# KiCad board data-center-rdimm-ddr4-tester.kicad_pcb (continued)
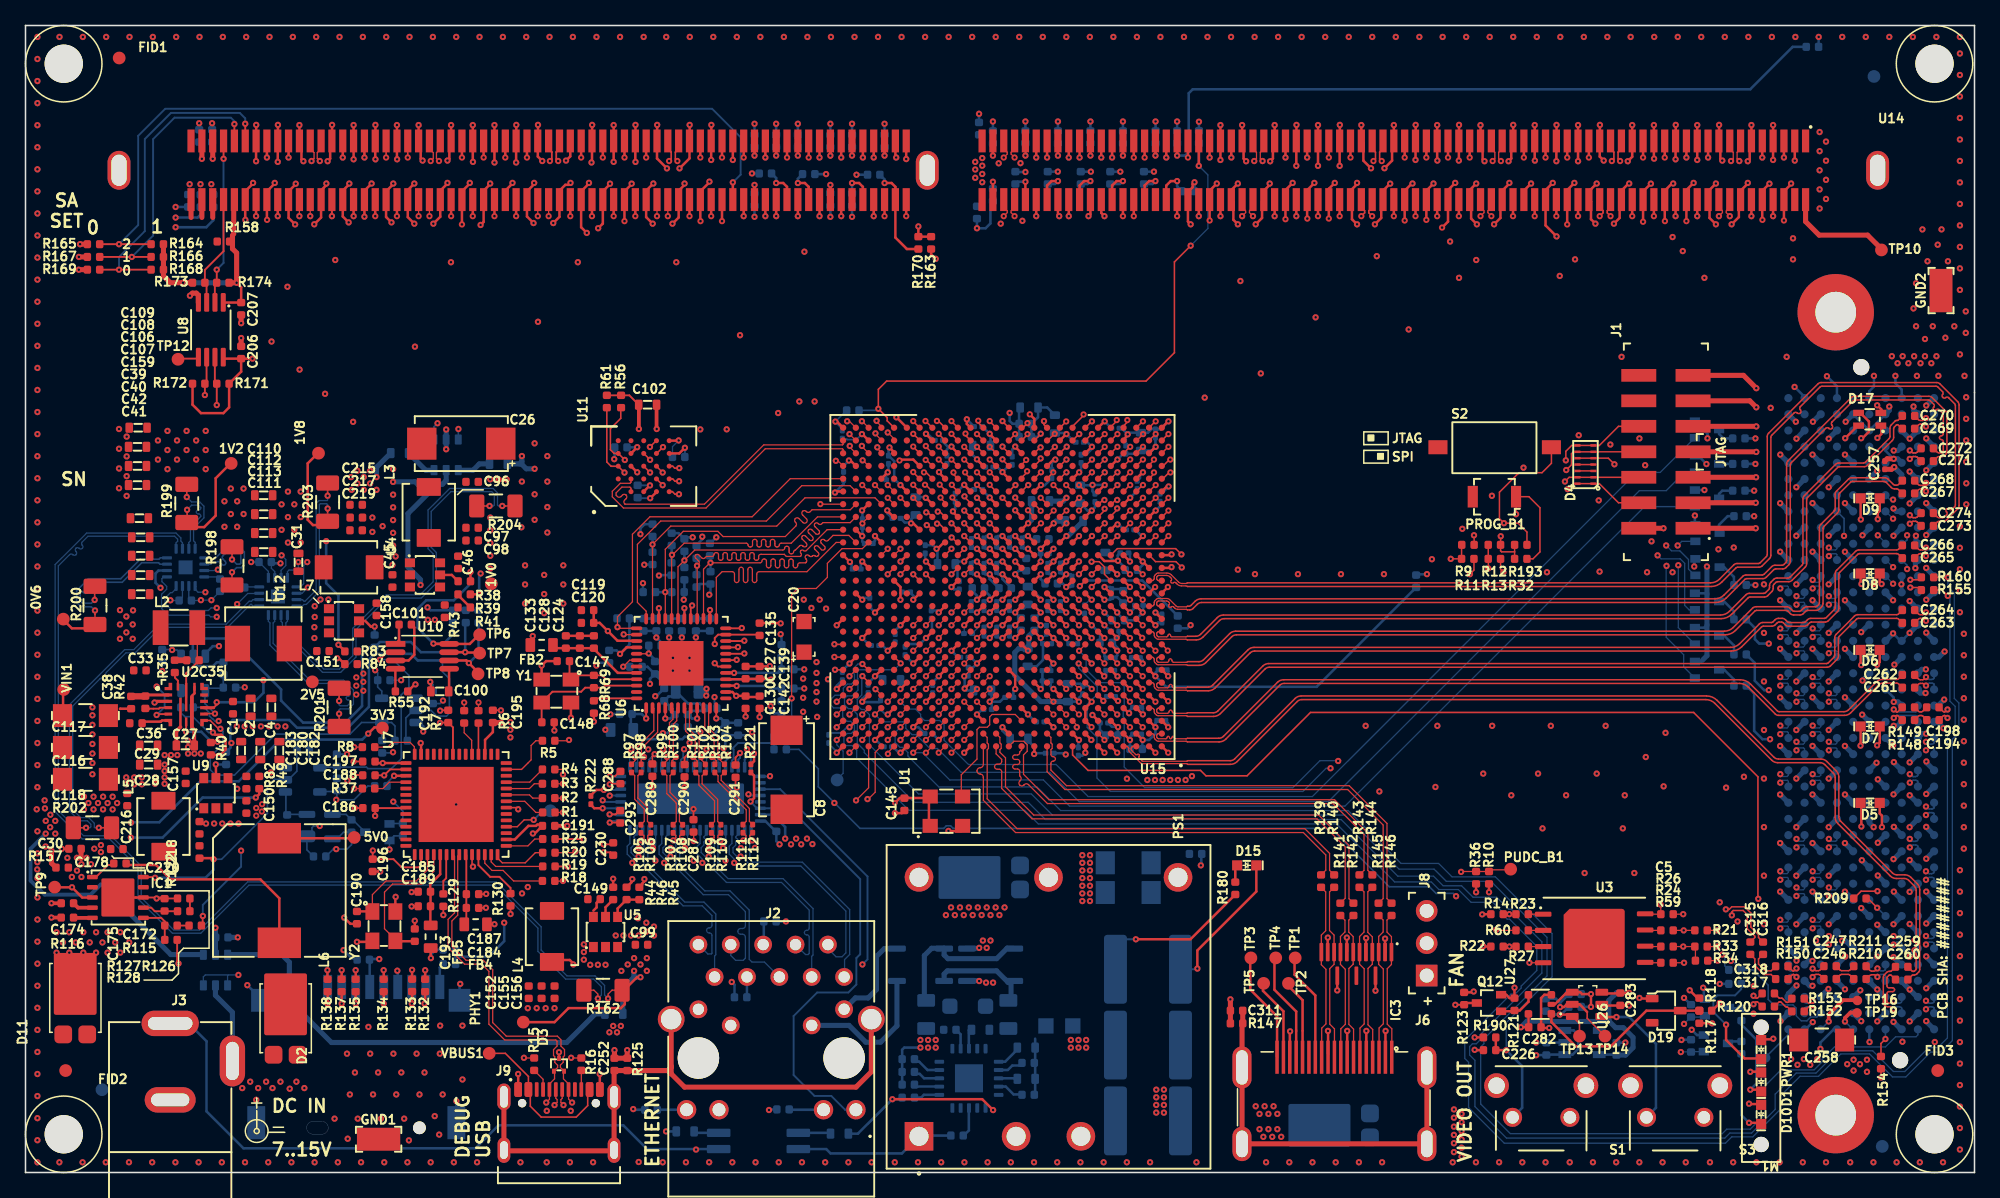
[diagram p0: board, top side]
## Routing (per net, layer and track width the routed paths; a pad name or vN(x,y) marks a point on that pad's centre or on a via; arc(x,y) is an arc through that point) (continued)
  Bottom w0.15: v1(55.49,77.69) 56.1,78.3 56.1,81.22 53.86,83.46 10.96,83.46 8.84,81.34 8.84,74.34 v1(7.34,72.84)
SCL_2V5: length 12.8
  Top w0.15: 14.86,68.26 14.86,69.64 ; 15,69.79 v1(15,70.84) ; 15.54,80.94 v1(15.54,79.54)
  Bottom w0.15: v1(15,70.84) 15.54,71.37 v1(15.54,79.54)
SCL_3V3: length 99.1
  Top w0.1: U15.E25 v1(64.64,36.94)
  Top w0.15: 14.86,63.86 14.86,62.04 ; v1(15,60.22) R171.2
  In2.Cu w0.1: v1(15,60.22) 16.96,60.22 22.32,54.85 22.32,49.53 21.4,48.6 v1(21.4,47.9) 21.4,47.3 22.75,45.95 25.88,45.95 31.01,40.82 31.01,35.41 33.92,32.5 37.9,32.5 38.7,31.7 45.81,31.7 46.81,30.7 57.55,30.7 57.96,30.29 63.69,30.29 65.15,31.75 65.15,36.43 v1(64.64,36.94)
  In9.Cu w0.1: v1(21.4,47.9) 21.4,45.8 19.6,44 15.3,44 v1(15,44.3)
  Bottom w0.1: v1(15,44.3) 14.55,44.3 14.35,44.1 11.5,44.1 10.95,44.65 10.95,45.07 11.38,45.5 11.5,45.5 11.81,45.81 11.81,46.02 ; v1(21.4,47.9) 21.4,47.45 21.22,47.28 20.67,47.28 20.55,47.15 20.55,46.66
SD_CD: length 72.3
  Top w0.1: U15.F9 v3(81.64,37.94)
  In2.Cu w0.1: v1(37.55,19.6) 37.96,19.6 41,22.64 41,23.45 42.05,24.5 42.9,24.5 43.35,24.05 45.35,24.05 45.52,23.88 61.68,23.88 66.75,28.95 66.75,29.85 68,31.1 69.3,31.1 69.42,31.22 arc(69.48,31.37) 69.42,31.51 69.29,31.65 arc(69.23,31.79) 69.29,31.93 arc(69.43,31.99) 69.57,31.93 69.71,31.79 arc(69.85,31.73) 69.99,31.79 70.09,31.89 70.5,31.89 arc(70.62,31.94) 70.68,32.06 70.68,32.11 arc(70.73,32.24) 70.85,32.29 arc(70.97,32.24) 71.03,32.11 71.03,31.67 arc(71.08,31.54) 71.2,31.49 arc(71.32,31.54) 71.38,31.67 71.38,32.11 arc(71.43,32.24) 71.55,32.29 arc(71.67,32.24) 71.72,32.11 71.72,31.67 arc(71.78,31.54) 71.9,31.49 arc(72.02,31.54) 72.07,31.67 72.07,31.72 arc(72.13,31.84) 72.25,31.89 74.18,31.89 arc(74.32,31.95) 74.38,32.09 74.38,32.69 arc(74.44,32.83) 74.58,32.89 arc(74.72,32.83) 74.78,32.69 74.78,32.09 arc(74.84,31.95) 74.98,31.89 arc(75.12,31.95) 75.18,32.09 75.18,32.69 arc(75.24,32.83) 75.38,32.89 arc(75.52,32.83) 75.58,32.69 75.58,32.09 arc(75.64,31.95) 75.78,31.89 arc(75.92,31.95) 75.98,32.09 75.98,32.69 arc(76.04,32.83) 76.18,32.89 arc(76.32,32.83) 76.38,32.69 76.38,32.09 arc(76.44,31.95) 76.58,31.89 arc(76.72,31.95) 76.78,32.09 76.78,32.69 arc(76.84,32.83) 76.98,32.89 arc(77.12,32.83) 77.18,32.69 77.18,32.09 arc(77.24,31.95) 77.38,31.89 77.62,31.89 78,32.28 78,33.2 79.86,35.06 79.86,35.91 80.18,36.22 80.18,37.09 80.6,37.52 81.22,37.52 v3(81.64,37.94)
  Bottom w0.2: 33.74,16.94 36.34,16.94 37.55,18.15 v1(37.55,19.6) ; 33.74,16.94 R136.1 ; 33.74,16.94 R131.2
SD_CLK: length 75.8
  Top w0.1: U15.D10 v3(80.64,35.94)
  Top w0.2: R134.2 28.1,15.87 v1(28.09,15.88)
  In2.Cu w0.1: v1(28.09,15.88) 28.09,16.17 28.3,16.38 28.3,16.8 30,18.5 37.75,18.5 41.74,22.49 41.74,23.05 42.16,23.47 42.88,23.47 43.05,23.3 45.31,23.3 45.48,23.47 49.18,23.47 49.5,23.15 62,23.15 67.32,28.47 67.32,29.62 68.1,30.4 69.6,30.4 70.43,31.22 72.38,31.22 arc(72.51,31.17) 72.56,31.05 72.56,31.01 arc(72.61,30.89) 72.74,30.84 arc(72.86,30.89) 72.91,31.01 72.91,31.49 arc(72.96,31.61) 73.09,31.66 arc(73.21,31.61) 73.26,31.49 73.26,31.01 arc(73.31,30.89) 73.44,30.84 arc(73.56,30.89) 73.61,31.01 73.61,31.49 arc(73.66,31.61) 73.78,31.66 arc(73.91,31.61) 73.96,31.49 73.96,31.01 arc(74.01,30.89) 74.13,30.84 arc(74.26,30.89) 74.31,31.01 74.31,31.49 arc(74.36,31.61) 74.49,31.66 arc(74.61,31.61) 74.66,31.49 74.66,31.01 arc(74.71,30.89) 74.84,30.84 arc(74.96,30.89) 75.01,31.01 75.01,31.49 arc(75.06,31.61) 75.19,31.66 arc(75.31,31.61) 75.36,31.49 75.36,31.01 arc(75.41,30.89) 75.53,30.84 arc(75.66,30.89) 75.71,31.01 75.71,31.49 arc(75.76,31.61) 75.88,31.66 arc(76.01,31.61) 76.06,31.49 76.06,31.01 arc(76.11,30.89) 76.24,30.84 arc(76.36,30.89) 76.41,31.01 76.41,31.49 arc(76.46,31.61) 76.59,31.66 arc(76.71,31.61) 76.76,31.49 76.76,31.01 arc(76.81,30.89) 76.94,30.84 arc(77.06,30.89) 77.11,31.01 77.11,31.49 arc(77.16,31.61) 77.28,31.66 arc(77.41,31.61) 77.46,31.49 77.46,31.4 arc(77.51,31.28) 77.63,31.22 77.72,31.22 arc(77.76,31.23) 77.79,31.25 78.65,32.11 78.65,33.2 80.22,34.77 80.22,35.52 80.64,35.94 v3(80.64,35.94)
  Bottom w0.1: v1(28.09,15.88) 28.1,15.87 28.1,14.55
SD_CMD: length 73
  Top w0.1: U15.D8 v3(82.64,35.94)
  Top w0.2: v1(25.9,15.88) R135.2
  In2.Cu w0.1: v3(82.64,35.94) 82.06,35.36 82.06,34.38 81.05,33.38 81.05,31.53 80.92,31.4 arc(80.78,31.34) 80.64,31.4 80.61,31.43 arc(80.46,31.49) 80.32,31.43 arc(80.26,31.29) 80.32,31.15 80.64,30.83 arc(80.7,30.69) 80.64,30.55 80.64,30.55 arc(80.5,30.49) 80.36,30.55 80.04,30.87 arc(79.9,30.92) 79.76,30.87 arc(79.7,30.72) 79.76,30.58 79.79,30.55 arc(79.85,30.41) 79.79,30.27 78.84,29.32 71.32,29.32 63.55,21.55 43.5,21.55 38.95,17 32.72,17 32.47,17.25 30.93,17.25 29.9,16.22 29.9,15.4 29.22,14.72 27.06,14.72 25.91,15.88 v1(25.9,15.88)
  Bottom w0.1: v1(25.9,15.88) 25.9,14.55
SD_DAT0: length 75.8
  Top w0.1: U15.E10 v3(80.64,36.94)
  Top w0.2: v1(30.32,15.9) R133.2
  In2.Cu w0.1: v1(30.32,15.9) 30.83,16.41 39.35,16.41 43.9,20.95 63.95,20.95 71.69,28.69 79.19,28.69 79.56,29.06 arc(79.61,29.18) 79.56,29.31 79.51,29.36 arc(79.46,29.48) 79.51,29.61 arc(79.63,29.66) 79.76,29.61 79.81,29.56 arc(79.93,29.5) 80.06,29.56 arc(80.11,29.68) 80.06,29.8 79.98,29.87 arc(79.93,30) 79.98,30.12 arc(80.11,30.17) 80.23,30.12 80.3,30.05 arc(80.43,30) 80.55,30.05 81.13,30.63 arc(81.19,30.78) 81.13,30.92 81.1,30.95 arc(81.04,31.09) 81.1,31.24 arc(81.24,31.29) 81.38,31.24 81.42,31.2 arc(81.56,31.14) 81.7,31.2 82.02,31.52 82.02,31.62 arc(81.96,31.76) 81.82,31.82 81.47,31.82 arc(81.33,31.88) 81.27,32.02 arc(81.33,32.16) 81.47,32.22 81.82,32.22 arc(81.96,32.28) 82.02,32.42 82.02,32.67 arc(82.08,32.81) 82.22,32.87 82.27,32.87 arc(82.41,32.93) 82.47,33.07 arc(82.41,33.21) 82.27,33.27 81.72,33.27 arc(81.58,33.33) 81.52,33.47 arc(81.58,33.61) 81.72,33.67 81.82,33.67 arc(81.96,33.73) 82.02,33.87 82.02,33.89 82.89,34.76 82.89,35.34 83.04,35.49 83.04,36.13 82.72,36.45 82.35,36.45 arc(82.23,36.5) 82.18,36.62 82.18,37.28 arc(82.12,37.4) 82,37.45 arc(81.88,37.4) 81.82,37.28 arc(81.78,37.17) 81.68,37.12 81.28,37.12 arc(81.17,37.08) 81.12,36.97 arc(81.17,36.87) 81.28,36.83 81.68,36.83 arc(81.78,36.78) 81.82,36.67 81.82,36.62 arc(81.77,36.5) 81.65,36.45 81.13,36.45 v3(80.64,36.94)
  Bottom w0.1: v1(30.32,15.9) 30.3,15.88 30.3,14.55
SD_DAT1: length 75.1
  Top w0.1: U15.F8 v3(82.64,37.94)
  Top w0.2: v1(31.35,15.88) R132.2
  In2.Cu w0.1: v3(82.64,37.94) 83.06,37.52 83.06,36.74 83.25,36.55 83.25,35.24 83.18,35.17 83.18,33.88 82.7,33.41 82.7,31.2 82.54,31.04 arc(82.38,30.97) 82.22,31.04 arc(82.06,31.11) 81.9,31.04 arc(81.84,30.88) 81.9,30.72 82.06,30.56 82.54,30.09 arc(82.61,29.93) 82.54,29.77 arc(82.38,29.7) 82.22,29.77 81.59,30.4 arc(81.43,30.47) 81.27,30.4 arc(81.2,30.24) 81.27,30.09 81.9,29.45 arc(81.97,29.29) 81.9,29.13 arc(81.74,29.07) 81.59,29.13 80.95,29.77 arc(80.79,29.83) 80.63,29.77 arc(80.56,29.61) 80.63,29.45 81.27,28.81 arc(81.33,28.65) 81.27,28.49 arc(81.11,28.43) 80.95,28.49 80.31,29.13 arc(80.15,29.2) 79.99,29.13 arc(79.93,28.97) 79.99,28.81 arc(80.06,28.65) 79.99,28.49 79.55,28.05 72.05,28.05 64.4,20.4 44.2,20.4 39.8,16 31.47,16 v1(31.35,15.88)
  Bottom w0.1: 31.4,14.55 31.4,15.83 v1(31.35,15.88)
SD_DAT2: length 72.1
  Top w0.1: U15.C9 v3(81.64,34.94)
  Top w0.2: R138.2 23.69,15.17 v1(23.69,15.88)
  In2.Cu w0.1: v3(81.64,34.94) 81.64,34.61 80.3,33.28 80.3,31.8 78.46,29.95 70.96,29.95 63.05,22.05 43.05,22.05 38.6,17.6 30.55,17.6 29.59,16.64 29.59,15.66 29.03,15.1 27.45,15.1 26.18,16.38 25.6,16.38 25.38,16.15 25.38,15.58 25.15,15.35 24.21,15.35 v1(23.69,15.88)
  Bottom w0.1: v1(23.69,15.88) 23.7,15.86 23.7,14.55
SD_DAT3: length 74.3
  Top w0.1: U15.D9 v3(81.64,35.94)
  Top w0.2: v1(24.8,15.88) R137.2
  In2.Cu w0.1: v3(81.64,35.94) 81.22,35.52 81.22,34.92 79.56,33.26 79.56,32.06 79.43,31.92 arc(79.3,31.87) 79.18,31.92 arc(79.05,31.98) 78.93,31.93 78.89,31.89 arc(78.84,31.77) 78.89,31.64 79.23,31.31 arc(79.29,31.16) 79.23,31.02 arc(79.09,30.96) 78.95,31.02 78.61,31.36 arc(78.49,31.41) 78.36,31.36 78.33,31.32 arc(78.28,31.2) 78.33,31.08 arc(78.38,30.95) 78.33,30.83 78.09,30.59 72.19,30.59 arc(72.05,30.65) 71.99,30.79 arc(71.93,30.93) 71.79,30.99 71.74,30.99 arc(71.6,30.93) 71.54,30.79 71.54,30.59 71.54,30.59 71.54,30.39 arc(71.48,30.25) 71.34,30.19 71.29,30.19 arc(71.15,30.25) 71.09,30.39 arc(71.03,30.53) 70.89,30.59 70.59,30.59 69.7,29.7 68.35,29.7 67.78,29.14 67.78,27.88 62.5,22.6 42.7,22.6 38.1,18 30.27,18 28.7,16.43 28.7,15.7 28.46,15.46 27.79,15.46 26.48,16.77 25.27,16.77 24.8,16.3 v1(24.8,15.88)
  Bottom w0.1: v1(24.8,15.88) 24.8,14.55
SDA_2V5: length 8.6
  Top w0.15: 15.54,76.34 15.54,72.29 14.07,70.82 14.07,69.79 ; 14.21,68.26 14.21,69.66
SDA_3V3: length 99.4
  Top w0.1: U15.D26 v1(63.64,35.94)
  Top w0.15: v1(14.07,61.01) R172.2 ; 14.21,63.86 14.21,62.03
  In2.Cu w0.1: v1(14.07,61.01) 16.79,61.01 22.85,54.95 22.85,49.28 22.1,48.53 v1(22.1,47.9) 22.1,47.4 23.05,46.45 26.07,46.45 31.33,41.19 31.33,35.69 34.12,32.9 38.16,32.9 38.99,32.07 45.93,32.07 46.9,31.1 57.81,31.1 58.23,30.68 62.44,30.68 64.06,32.29 64.06,35.52 v1(63.64,35.94)
  In9.Cu w0.1: v1(22.1,47.9) 21.7,47.5 21.7,45.5 19.8,43.6 v1(15,43.6)
  Bottom w0.1: v1(22.1,47.9) 21.82,47.62 21.82,46.2 21.57,45.95 21.26,45.95 ; v1(15,43.6) 14.53,43.6 14.4,43.72 11.2,43.72 10.67,44.25 10.67,45.37 11.08,45.77 11.08,45.99 10.7,46.36 10.7,46.6 10.83,46.73 11.1,46.73
TCK_JTAG: length 112.9
  Top w0.1: 41.54,22.86 42.15,22.86 ; U15.L8 v1(82.64,42.94)
  Top w0.12: J1.6 D4.2 D4.13 121.09,54.55 v1(120.76,54.22)
  In5.Cu w0.1: v1(82.64,42.94) 82.22,43.36 81.62,43.36 81.2,43.78 81.2,43.97 80.72,44.45 69.55,44.45 66.22,41.12 66.22,34.93 65.81,34.52 63.62,34.52 62.8,33.7 52.82,33.7 51.91,32.79 51.49,32.79 50.65,33.62 46.68,33.62 44.5,31.45 44.5,25.22 v1(42.16,22.88)
  In7.Cu w0.12: v1(120.76,54.22) 120.35,53.81 120.35,48.85 117,45.5 84.94,45.5 84.81,45.37 82.46,45.37 82.2,45.11 82.2,43.38 ; v1(82.64,42.94) 82.21,43.37
TDI_JTAG: length 113
  Top w0.12: v1(120.83,55.88) 120.83,56.59 121.29,57.05 D4.8 D4.7 123.46,57.05 124.96,58.55 J1.10
  Top w0.127: U15.R6 v1(83.64,46.94)
  Top w0.15: R19.2 42.52,24.02
  In5.Cu w0.1: v1(42.54,24) 42.54,26.21 42,26.75 42,27.5 42.33,27.83 42.34,27.83 42.58,28.08 42.58,32.58 45.21,35.21 60.91,35.21 63.22,37.52 63.22,38.36 63.9,39.04 63.9,41.9 68.52,46.52 68.84,46.52 69.22,46.9 69.22,47.11 69.47,47.37 83.21,47.37 v1(83.64,46.94)
  In7.Cu w0.12: v1(83.64,46.94) 83.99,46.59 84.61,46.59 85.2,46 115.95,46 119.5,49.55 119.5,53.72 120.43,54.65 121.06,54.65 121.33,54.92 121.33,55.38 v1(120.83,55.88)
TDO_JTAG: length 109.7
  Top w0.1: v1(43.14,25.19) 43.04,25.09 R20.2
  Top w0.12: v1(120.86,55.12) 121.27,55.53 121.27,56.4 121.42,56.55 D4.9 D4.6 123,56.55 J1.8
  Top w0.127: U15.R7 v1(82.64,46.94)
  In5.Cu w0.1: v1(82.64,46.94) 82.06,46.36 69.31,46.36 68.2,45.25 68.2,44.91 66.74,43.45 66.5,43.45 64.22,41.17 64.22,36.93 63.81,36.52 63.42,36.52 61.6,34.7 57.9,34.7 57.63,34.97 56.83,34.97 56.56,34.7 53.7,34.7 53.43,34.97 52.57,34.97 52.3,34.7 50.6,34.7 50.3,35 49.65,35 49.2,34.55 45.95,34.55 45.5,34.1 45.18,34.1 43.14,32.06 43.14,27.44 43.16,27.42 43.16,27.08 43.14,27.06 v1(43.14,25.19)
  In7.Cu w0.12: v1(120.86,55.12) 119.47,55.12 118.53,54.18 118.53,50.33 114.7,46.5 85.4,46.5 84.7,47.2 84.15,47.2 83.88,47.47 83.17,47.47 v1(82.64,46.94)
TMDS_CLK_N: length 35.2
  Top w0.1: R139.1 102,23.72 102,24.92 100.24,26.67 77.66,26.67 75.14,29.2 75.14,31.01 arc(75.06,31.19) 74.89,31.26 arc(74.71,31.34) 74.64,31.51 arc(74.71,31.69) 74.89,31.76 arc(75.06,31.84) 75.14,32.01 U15.A15
TMDS_CLK_P: length 35.8
  Top w0.1: R140.1 102.3,23.71 102.3,25.04 100.36,26.97 77.79,26.97 75.44,29.33 75.44,33.17 75.54,33.27 75.54,33.61 75.44,33.71 75.44,34.14 U15.B15
TMDS_D0_N: length 37.7
  Top w0.1: U15.A14 76.14,32.85 76.57,32.41 76.57,32.25 arc(76.52,32.1) 76.38,32.05 76.21,32.05 arc(76.07,31.99) 76.01,31.84 arc(76.07,31.7) 76.21,31.64 76.38,31.64 arc(76.52,31.59) 76.57,31.44 76.57,30.14 78.96,27.75 101.31,27.75 103.52,25.55 103.52,21.51 R141.1
TMDS_D0_P: length 38.1
  Top w0.1: R142.1 103.82,21.48 103.82,25.67 101.44,28.05 79.09,28.05 76.88,30.26 76.88,32.54 76.44,32.98 76.44,33.17 76.54,33.27 76.54,33.61 76.44,33.71 76.44,34.14 U15.B14
TMDS_D1_N: length 36.8
  Top w0.1: U15.A12 78.14,33.15 77.99,33 77.99,32.94 arc(77.94,32.81) 77.81,32.76 77.61,32.76 arc(77.49,32.71) 77.44,32.59 arc(77.49,32.46) 77.61,32.41 77.81,32.41 arc(77.94,32.36) 77.99,32.24 77.99,32.19 arc(77.94,32.06) 77.81,32.01 77.61,32.01 arc(77.49,31.96) 77.44,31.84 arc(77.49,31.71) 77.61,31.66 77.81,31.66 arc(77.94,31.61) 77.99,31.49 77.99,31.13 78.04,31.08 arc(78.1,30.92) 78.04,30.76 77.99,30.71 arc(77.93,30.55) 77.99,30.4 arc(78.15,30.33) 78.31,30.4 78.35,30.44 arc(78.51,30.51) 78.67,30.44 80.16,28.95 102.56,28.95 104.99,26.52 104.99,23.7 R143.1
TMDS_D1_P: length 36.5
  Top w0.1: U15.A13 77.54,33.84 78.3,33.84 78.57,33.57 78.57,33.05 78.29,32.76 78.29,31.25 80.29,29.25 102.69,29.25 105.3,26.64 105.3,23.7 R144.1
TMDS_D2_N: length 36.4
  Top w0.1: U15.A10 80.14,31.45 81.54,30.05 103.71,30.05 106.5,27.26 106.5,21.49 R145.1
TMDS_D2_P: length 38
  Top w0.1: U15.B10 80.44,34.14 80.44,33.71 80.54,33.61 80.54,33.27 80.44,33.17 80.44,32.8 arc(80.49,32.68) 80.61,32.63 80.62,32.63 arc(80.74,32.58) 80.79,32.45 arc(80.74,32.33) 80.62,32.28 80.61,32.28 arc(80.49,32.23) 80.44,32.1 80.44,31.58 81.66,30.35 103.84,30.35 106.8,27.39 106.8,21.49 R146.1
TMS_JTAG: length 108.2
  Top w0.1: U15.N8 v1(82.64,44.94)
  Top w0.12: J1.4 124.96,52.55 123.46,54.05 D4.1 D4.14 121.4,54.05 v1(120.97,53.62)
  Top w0.15: R25.2 43.75,26.17 v1(43.79,26.13)
  In5.Cu w0.1: v1(43.79,26.13) 43.78,26.14 43.78,31.67 46.15,34.05 50.69,34.05 50.78,34.14 62.24,34.14 63.62,35.52 64.82,35.52 65.2,35.9 65.2,40.9 69.22,44.92 69.22,45.14 69.44,45.36 82.22,45.36 v1(82.64,44.94)
  In7.Cu w0.12: v1(82.64,44.94) 83.07,44.51 85.01,44.51 85.5,45 117.86,45 121.05,48.19 121.05,53.54 v1(120.97,53.62)
UART0_RX: length 37.4
  Top w0.1: R6.2 v2(35.54,36.88) ; U15.F25 v1(64.64,37.94)
  In2.Cu w0.1: v1(64.64,37.94) 64.06,37.36 63.21,37.36 62.75,36.9 62.75,34.55 60.3,32.1 47.25,32.1 45.83,33.52 36.88,33.52 35.5,34.9 35.5,36.84 v2(35.54,36.88)
UART0_TX: length 37.1
  Top w0.1: U15.E26 v1(63.64,36.94) ; R7.2 v2(34.41,36.88)
  In2.Cu w0.1: v2(34.41,36.88) 34.64,36.65 34.64,35.16 36.54,33.25 45.56,33.25 47.11,31.7 60.65,31.7 63.12,34.17 63.12,36.03 63.64,36.55 v1(63.64,36.94)
UART1_RX: length 48.2
  Top w0.1: R8.2 v2(25.79,33.38) ; v1(65.15,29.2) 66.14,30.19 U15.A24
  In2.Cu w0.1: v1(65.15,29.2) 62.95,27 44.34,27 43.56,27.78 41.62,27.78 37.4,32 30.8,32 29.4,33.4 25.81,33.4 v2(25.79,33.38)
UART1_TX: length 49.2
  Top w0.1: R37.2 v2(25.79,30.13) ; v1(66.05,29.3) 66.11,29.3 66.65,29.84 66.65,32.96 67.13,33.44
  In2.Cu w0.1: v2(25.79,30.13) 29.37,30.13 30.74,31.5 37.1,31.5 42,26.6 63.35,26.6 v1(66.05,29.3)
USR_LED1: length 84.7
  Top w0.1: U15.D21 v1(68.64,35.94)
  In9.Cu w0.1: v1(68.64,35.94) 68.15,36.43 68.15,43.2 68.35,43.4 68.69,43.4 70.07,44.78 70.07,45.07 70.8,45.8 72,45.8 72.25,45.55 72.8,45.55 73,45.75 80.55,45.75 81.25,45.05 81.25,44.78 81.52,44.5 89.29,44.5 91.34,42.45 92.85,42.45 93.35,42.95 126.05,42.95 128.73,45.63 v1(128.73,47.6)
  Bottom w0.1: v1(128.73,47.6) 128.7,47.57 128.7,42 130.07,40.62 130.07,39.67 Q2.1
USR_LED2: length 83.7
  Top w0.1: U15.B20 v1(69.64,33.94)
  In9.Cu w0.1: v1(69.64,33.94) 69.22,34.36 69.22,43.11 69.63,43.52 69.63,43.68 71.28,45.33 79.97,45.33 80.15,45.15 80.15,44.71 80.41,44.45 80.9,44.45 81.15,44.2 81.15,43.75 81.47,43.43 89.47,43.43 90.8,42.1 126.3,42.1 129.65,45.45 v1(129.65,47.65)
  Bottom w0.1: Q4.1 129.65,42.75 v1(129.65,47.65)
USR_LED3: length 84.3
  Top w0.1: U15.B21 v1(68.64,33.94)
  In9.Cu w0.1: v1(68.64,33.94) 68.06,34.52 68.06,35.11 67.65,35.52 67.46,35.52 67.15,35.83 67.15,40 66.5,40.65 66.5,43.21 68.22,44.93 68.22,45.11 69.64,46.54 70.94,46.54 71.1,46.7 72.1,46.7 72.26,46.54 84.68,46.54 85.38,45.84 89.76,45.84 91.24,44.36 125.58,44.36 127.69,46.46 127.69,48.08 v1(128.03,48.42)
  Bottom w0.1: v1(128.03,48.42) 128.3,48.15 129.8,48.15 130.15,47.8 130.15,44.5 130.5,44.15 Q3.1
USR_LED4: length 82.9
  Top w0.1: U15.C22 v1(67.64,34.94)
  In9.Cu w0.1: v1(67.64,34.94) 67.06,35.52 66.46,35.52 66.1,35.88 66.1,40.15 65.22,41.03 65.22,43.13 68.22,46.13 68.58,46.13 69.22,46.77 69.22,47.11 69.46,47.36 84.64,47.36 85.5,46.5 89.92,46.5 91.32,45.1 125.3,45.1 126.55,46.35 126.55,47.85 127.9,49.2 v1(128.7,49.2)
  Bottom w0.1: v1(128.7,49.2) 129.12,48.78 129.77,48.78 130.45,48.1 130.45,47.35 130.95,46.85
USR_LED5: length 77
  Top w0.1: U15.E22 v1(67.64,36.94)
  In9.Cu w0.1: v1(67.64,36.94) 67.64,40.36 67.06,40.94 67.06,42.77 69.15,44.86 69.15,45.35 70,46.2 72.1,46.2 72.23,46.33 73.37,46.33 73.6,46.1 80.92,46.1 81.47,45.55 84.83,45.55 85.18,45.2 89.5,45.2 91.05,43.65 125.84,43.65 128.2,46.01 128.2,47.8 v1(129.6,49.2)
  Bottom w0.1: 130.95,49.53 129.93,49.53 v1(129.6,49.2)
VPP: length 7
  Top w0.4: 12.99,76.34 12.99,74.94 ; 14.69,76.34 14.69,74.94 ; 13.84,76.34 13.84,74.94 ; 13.84,80.94 v1(13.84,79.54) ; U14.142 v1(14.69,79.54)
  vias: v1(12.88,77.55) v1(13.73,77.55) v1(14.58,77.55) v1(15.61,52.67) v1(15.61,50.67) v1(16.11,53.67) v1(16.11,51.67) v1(16.61,52.67) v1(16.61,50.67) v1(17.11,53.67) v1(17.11,51.67)
VREF_33: length 5.6
  Top w0.127: v1(79.64,57.97) 79.64,57.94 U15.AE11
  Bottom w0.2: R65.2 80.15,60.03 R66.1 79.43,59.27 C146.1 C18.1 79.39,57.72 v1(79.64,57.97)
VRN: length 2.5
  Top w0.127: 81.64,49.94 v1(81.66,49.94)
  Top w0.2: U15.U9 81.64,49.94
  Bottom w0.4: R63.1 81.79,49.94 v1(81.66,49.94)
VRP: length 2.6
  Top w0.127: 78.63,50.94 v1(78.65,50.94)
  Top w0.2: 78.13,50.44 78.63,50.94
  Bottom w0.4: R64.1 78.92,51.21 v1(78.65,50.94)
VTT:
  vias: v1(74.5,79.3) v1(74.5,78.7) v1(74.5,78.05) v1(75.05,79.6) v1(75.05,79) v1(75.05,78.35) v1(75.05,77.7)
~{ACT}: length 45.9
  Top w0.127: U15.Y8 82.64,52.94 v3(82.66,52.94)
  Top w0.2: U14.62 v3(87.79,79.64)
  In5.Cu w0.09: 80.97,60.44 80.97,59.36 81.22,59.11 81.22,54.36 82.65,52.94 v3(82.66,52.94)
  In5.Cu w0.146: 80.97,60.44 80.97,69.97 81.33,70.33 arc(81.42,70.54) 81.33,70.76 81.23,70.86 arc(81.14,71.07) 81.23,71.29 arc(81.44,71.37) 81.65,71.29 82.29,70.65 arc(82.5,70.56) 82.71,70.65 arc(82.8,70.86) 82.71,71.07 82.07,71.71 arc(81.99,71.92) 82.07,72.13 arc(82.29,72.22) 82.5,72.13 83.13,71.5 arc(83.35,71.41) 83.56,71.5 arc(83.65,71.71) 83.56,71.92 82.92,72.56 arc(82.83,72.77) 82.92,72.98 arc(83.13,73.07) 83.35,72.98 83.98,72.35 arc(84.2,72.26) 84.41,72.35 arc(84.5,72.56) 84.41,72.77 83.77,73.41 arc(83.68,73.62) 83.77,73.83 arc(83.98,73.92) 84.2,73.83 84.83,73.2 arc(85.04,73.11) 85.26,73.2 arc(85.34,73.41) 85.26,73.62 85.15,73.73 arc(85.06,73.94) 85.15,74.15 85.8,74.8 arc(85.89,75.01) 85.8,75.22 85.64,75.39 arc(85.55,75.6) 85.64,75.81 arc(85.85,75.9) 86.06,75.81 86.81,75.06 arc(87.02,74.97) 87.24,75.06 arc(87.32,75.27) 87.24,75.48 86.48,76.24 arc(86.4,76.45) 86.48,76.66 arc(86.7,76.75) 86.91,76.66 87.07,76.5 arc(87.28,76.41) 87.5,76.5 87.79,76.79 v3(87.79,79.64)
~{ALERT}: length 43.3
  Top w0.127: U15.AE10 80.19,57.44 80.71,57.96 v2(80.73,57.96)
  Top w0.2: 86.09,76.34 v2(86.09,75.04)
  In2.Cu w0.1: 81.33,60.45 81.33,60.2 81.1,59.97 81.1,58.33 v2(80.73,57.96)
  In2.Cu w0.16: 81.33,60.45 81.33,63.59 81.21,63.72 81.21,64.11 81.33,64.23 arc(81.49,64.3) 81.65,64.23 81.82,64.05 arc(81.98,63.99) 82.14,64.05 arc(82.21,64.21) 82.14,64.37 81.68,64.83 arc(81.63,64.95) 81.68,65.08 81.76,65.15 arc(81.88,65.2) 82,65.15 82.46,64.69 arc(82.62,64.62) 82.78,64.69 arc(82.84,64.85) 82.78,65.01 82.32,65.47 arc(82.27,65.59) 82.32,65.71 82.39,65.79 arc(82.52,65.84) 82.64,65.79 83.13,65.29 arc(83.29,65.23) 83.45,65.29 arc(83.52,65.45) 83.45,65.61 82.96,66.1 arc(82.91,66.23) 82.96,66.35 83.03,66.42 arc(83.15,66.47) 83.28,66.42 84.12,65.57 arc(84.28,65.51) 84.44,65.57 arc(84.51,65.73) 84.44,65.89 83.59,66.74 arc(83.54,66.86) 83.59,66.99 83.66,67.06 arc(83.79,67.11) 83.91,67.06 arc(84.03,67.01) 84.16,67.06 85.03,67.92 85.55,67.92 arc(85.71,67.99) 85.77,68.15 arc(85.71,68.31) 85.55,68.38 85.22,68.38 arc(85.07,68.44) 85,68.6 arc(85.07,68.76) 85.22,68.83 86.62,68.83 arc(86.78,68.89) 86.85,69.05 arc(86.78,69.21) 86.62,69.28 85.22,69.28 arc(85.07,69.34) 85,69.5 arc(85.07,69.66) 85.22,69.72 86.62,69.72 arc(86.78,69.79) 86.85,69.95 arc(86.78,70.11) 86.62,70.17 85.22,70.17 arc(85.07,70.24) 85,70.4 arc(85.07,70.56) 85.22,70.62 86.38,70.62 arc(86.53,70.69) 86.6,70.85 arc(86.53,71.01) 86.38,71.08 86.22,71.08 arc(86.07,71.14) 86,71.3 86,73.04 arc(86.06,73.18) 86.2,73.24 86.3,73.24 arc(86.49,73.32) 86.57,73.51 arc(86.49,73.71) 86.3,73.79 85.79,73.79 arc(85.56,73.69) 85.46,73.46 85.46,73.43 arc(85.38,73.22) 85.16,73.13 arc(84.95,73.22) 84.86,73.43 84.86,73.49 arc(84.78,73.7) 84.56,73.79 84.53,73.79 arc(84.33,73.87) 84.25,74.06 arc(84.33,74.26) 84.53,74.34 85.39,74.34 v2(86.09,75.04)
~{CAS}\A15: length 37
  Top w0.127: U15.AF13 76.64,58.94 v1(76.64,58.96)
  Top w0.2: 62.29,80.94 v1(62.29,79.64)
  In9.Cu w0.1: v1(76.64,58.96) 76.64,59.63 77.03,60.02 77.72,60.02 77.9,60.2 77.9,60.5
  In9.Cu w0.16: v1(62.29,79.64) 62.29,77.21 63.72,75.78 64.92,75.78 65.8,74.9 65.8,73.8 67.15,72.45 72.9,72.45 73.15,72.2 73.15,71.85 77.9,67.1 77.9,63.35 arc(77.97,63.19) 78.12,63.12 78.15,63.12 arc(78.31,63.06) 78.37,62.9 arc(78.31,62.74) 78.15,62.67 77.65,62.67 arc(77.49,62.61) 77.43,62.45 arc(77.49,62.29) 77.65,62.22 78.15,62.22 arc(78.31,62.16) 78.37,62 arc(78.31,61.84) 78.15,61.78 77.65,61.78 arc(77.49,61.71) 77.43,61.55 arc(77.49,61.39) 77.65,61.33 77.68,61.33 arc(77.83,61.26) 77.9,61.1 77.9,60.5
~{CS0}: length 48.6
  Top w0.127: U15.V9 81.64,50.94 v3(81.66,50.94)
  Top w0.2: U14.84 v1(63.99,79.64)
  In5.Cu w0.09: 79.57,60.44 79.57,59.49 79.21,59.13 79.21,54.69 79.5,54.4 80.06,54.4 80.44,54.02 80.44,53.56 81.48,52.52 81.78,52.52 82.15,52.15 82.15,51.43 v3(81.66,50.94)
  In5.Cu w0.146: 79.57,60.44 79.57,69.83 77,72.4 77,72.9 76.82,73.08 arc(76.54,73.19) 76.26,73.08 75.98,72.79 arc(75.69,72.68) 75.41,72.79 arc(75.29,73.08) 75.41,73.36 75.69,73.64 arc(75.81,73.92) 75.69,74.21 75.36,74.54 arc(75.29,74.71) 75.36,74.89 75.51,75.04 arc(75.59,75.21) 75.51,75.39 arc(75.34,75.46) 75.16,75.39 74.44,74.67 arc(74.26,74.6) 74.08,74.67 arc(74.01,74.85) 74.08,75.02 74.81,75.75 arc(74.88,75.92) 74.81,76.1 arc(74.63,76.17) 74.45,76.1 74.3,75.95 arc(74.13,75.88) 73.95,75.95 73.85,76.05 67.65,76.05 65.8,77.9 65.8,78.5 65.4,78.9 64.7,78.9 63.99,79.61 v1(63.99,79.64)
~{CS1}\NC: length 45
  Top w0.127: U15.Y11 79.64,51.94 v2(79.64,51.92)
  Top w0.2: U14.89 v2(59.74,79.64)
  In2.Cu w0.1: 75.53,60.45 75.53,59.45 75.22,59.13 75.22,57.79 75.55,57.45 75.78,57.45 76.15,57.08 76.15,56.74 76.43,56.46 76.82,56.46 77.14,56.14 77.14,54.81 76.71,54.38 76.53,54.38 76.22,54.07 76.22,52.73 76.57,52.38 79.18,52.38 v2(79.64,51.92)
  In2.Cu w0.16: v2(59.74,79.64) 61.1,78.28 61.1,74.42 62.72,72.8 69,72.8 70.1,71.7 70.1,71.1 70.8,70.4 71.4,70.4 75.53,66.28 75.53,60.45 75.53,60.45
~{CS2}\C0: length 51
  Top w0.127: U15.V11 79.64,50.94 v2(79.66,50.94)
  Top w0.2: 56.34,80.94 v3(56.34,79.64)
  In2.Cu w0.1: 74.93,60.45 74.93,59.85 74.28,59.2 74.28,58.35 74.19,58.25 74.19,57.75 74.5,57.44 74.9,57.44 75.15,57.18 75.15,56.67 75.38,56.45 75.77,56.45 76.1,56.12 76.1,54.77 75.81,54.48 75.54,54.48 75.19,54.13 75.19,52.79 75.56,52.42 75.88,52.42 76.85,51.45 79.14,51.45 v2(79.66,50.94)
  In2.Cu w0.16: 74.93,60.45 74.93,65.57 70.9,69.6 70.6,69.6 69.35,70.85 69.35,71.15 68.5,72 62.3,72 59.8,74.5 59.8,75.56 arc(59.89,75.77) 60.1,75.86 60.16,75.86 arc(60.37,75.95) 60.46,76.16 arc(60.37,76.37) 60.16,76.46 59.44,76.46 arc(59.23,76.55) 59.14,76.76 arc(59.23,76.97) 59.44,77.06 59.5,77.06 arc(59.71,77.15) 59.8,77.36 59.8,78.1 59,78.9 56.56,78.9 56.34,79.13 v3(56.34,79.64)
~{CS3}\C1,NC: length 49.1
  Top w0.127: v3(78.64,51.96) 78.64,51.94 U15.W11
  Top w0.2: 56.34,76.34 v1(56.34,75.04)
  In5.Cu w0.09: 76.77,60.44 76.77,59.92 76.2,59.34 76.2,54.16 77.15,53.21 77.15,52.62 77.4,52.37 78.22,52.37 v3(78.64,51.96)
  In5.Cu w0.146: v1(56.34,75.04) 56.88,74.5 59.2,74.5 60.03,73.67 64.42,73.67 65.27,72.83 69.62,72.83 72.08,70.37 72.51,70.37 73.5,69.38 arc(73.66,69.32) 73.82,69.38 73.85,69.42 arc(74.01,69.48) 74.17,69.42 arc(74.24,69.26) 74.17,69.1 73.78,68.71 arc(73.71,68.55) 73.78,68.39 arc(73.94,68.33) 74.1,68.39 74.49,68.78 arc(74.65,68.85) 74.81,68.78 arc(74.87,68.62) 74.81,68.46 74.42,68.07 arc(74.35,67.91) 74.42,67.76 arc(74.58,67.69) 74.74,67.76 75.12,68.14 arc(75.28,68.21) 75.44,68.14 arc(75.51,67.99) 75.44,67.83 75.05,67.44 arc(74.99,67.28) 75.05,67.12 arc(75.21,67.05) 75.37,67.12 75.76,67.51 arc(75.92,67.57) 76.08,67.51 arc(76.14,67.35) 76.08,67.19 75.69,66.8 arc(75.62,66.64) 75.69,66.48 arc(75.85,66.42) 76.01,66.48 76.4,66.87 arc(76.56,66.94) 76.72,66.87 arc(76.78,66.71) 76.72,66.55 76.68,66.52 arc(76.61,66.36) 76.68,66.2 76.77,66.11 76.77,60.44
~{EVENT}: length 16.8
  Top w0.2: v1(70.04,74.23) R170.2 R163.2 ; 69.09,80.94 v1(69.09,79.52)
  In2.Cu w0.16: v1(69.09,79.52) 69.09,78.99 68.6,78.5 67.3,78.5 65.9,77.1 65.9,76.9 arc(65.98,76.71) 66.18,76.62 66.37,76.62 arc(66.57,76.54) 66.65,76.35 arc(66.57,76.16) 66.37,76.08 65.43,76.08 arc(65.23,75.99) 65.15,75.8 arc(65.23,75.61) 65.43,75.53 65.62,75.53 arc(65.82,75.44) 65.9,75.25 65.9,74.7 66.4,74.2 70,74.2 v1(70.04,74.23)
